# Altium PCB cheriot-test.PcbDoc (part 8 of 10)
Units mil, origin at the board's own origin, x right, y up, seen from the top; angles counter-clockwise.
Board outline 4921.26 x 3149.61 mil, 8 copper layers (Top Layer, Int1 (Sign), Int2 (GND), Int3 (Sign), Int4 (Sign), Int5 (PWR), Int6 (Sign), Bottom Layer), stack 60.424 mil thick; 468 components, 516 nets, 2293 pads, 1328 vias.
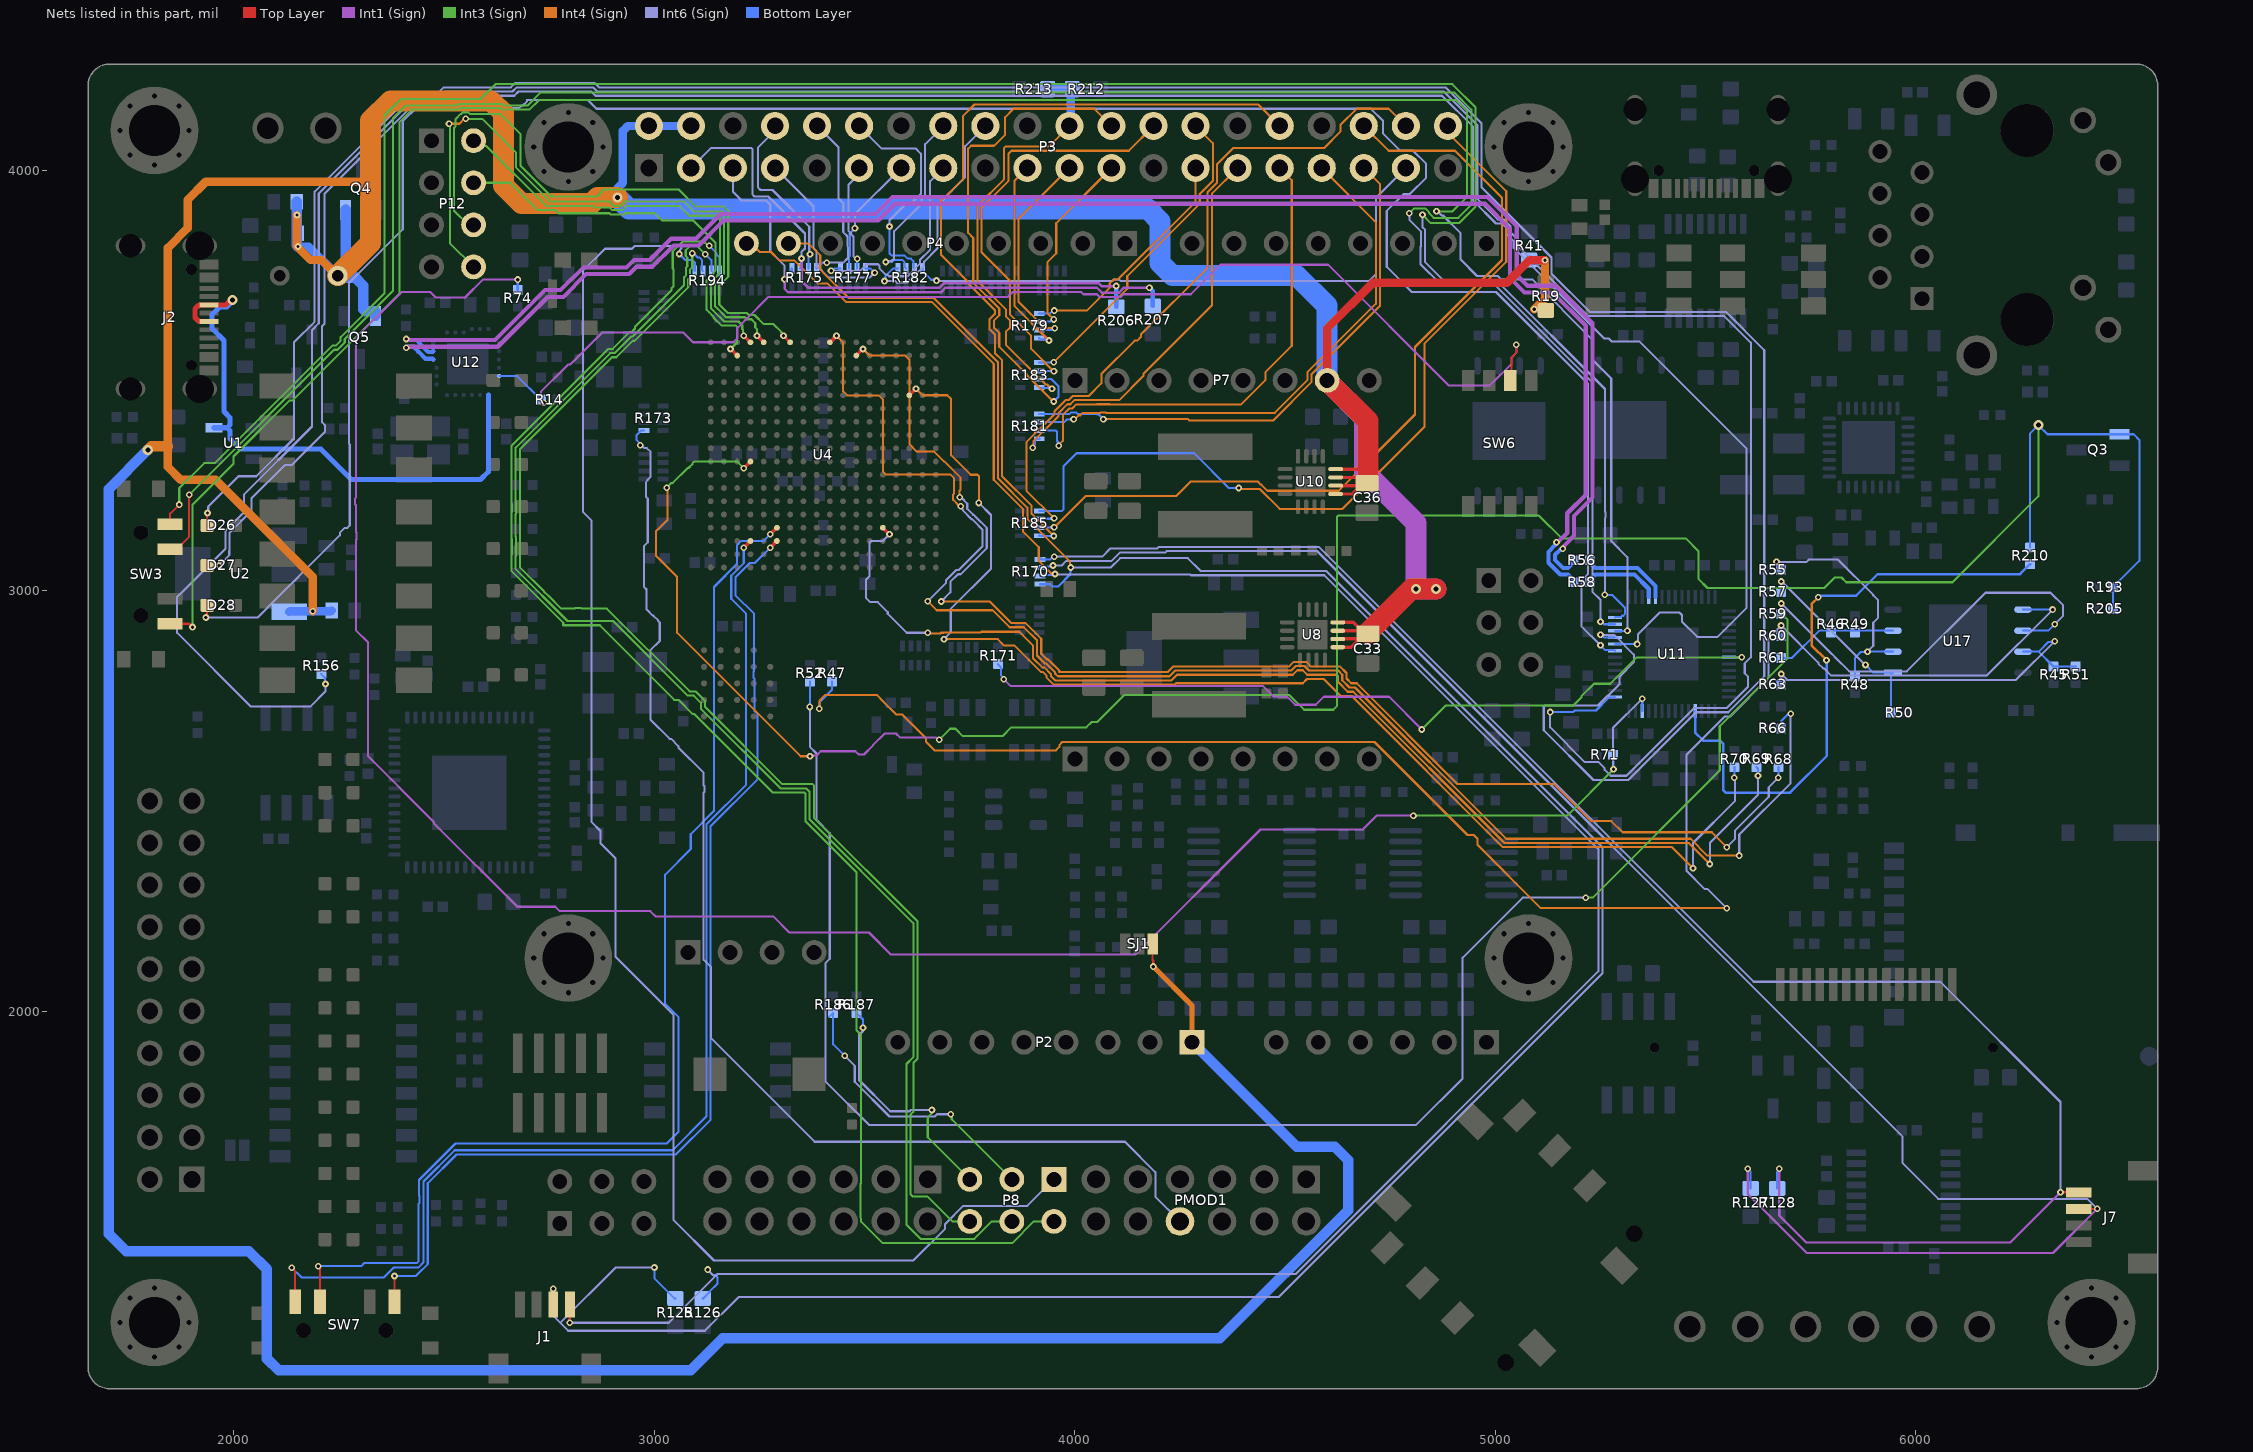
[diagram p14: the nets of this part, all layers, seen from the top]

## Via types
v1: diameter 16, hole 8, Top Layer to Bottom Layer, tented both sides, 1207 vias
v2: diameter 24, hole 12, Top Layer to Bottom Layer, tented both sides, 105 vias
v3: diameter 23.62, hole 11.81, Top Layer to Bottom Layer, tented both sides, 16 vias

## Nets (pads, with @x,y where several pads share a name; then routed paths per layer and width w, separated by ;. In a path a pad name is that pad's centre, name@x,y a point inside that pad or via, vN(x,y) a via of type N, cw(c..) or ccw(c..) an arc to the next point about the centre after c; other vN are vias at no path point) (continued)
PMOD1_8: PMOD1.10 R173.4B | length 2903.8
  Int6 (Sign) w5: v1(2966.47,3346.13) 2969.45,3346.13 2976.48,3339.09 2981.93,3339.09 2991.01,3330.01 2991.01,3270.98 2983.9,3263.88 2983.9,3262.46 2980.25,3258.8 2980.25,3222.83 2984.12,3218.95 2984.12,3114.79 2975,3105.66 2975,3009.07 2981.22,3002.85 2981.22,2955.79 2996.26,2940.75 2997.58,2940.75 3009,2929.33 3009,2928.01 3012.81,2924.2 3012.81,2880.39 2990.5,2858.08 2990.5,2693.64 3036.53,2647.61 3039.78,2647.61 3057.06,2630.33 3057.06,2627.08 3117.03,2567.11 3117.03,2537.07 3119.09,2535.01 3119.09,2522.17 3117.03,2520.11 3117.03,2122.32 3135,2104.35 3135,1935.65 3381.15,1689.5 4119.19,1689.5 4191.5,1617.19 4191.5,1558.5 PMOD1.10@4250,1500
  Bottom Layer w5: v1(2966.47,3346.13) 2966.47,3349.1 2957.63,3357.94 2957.63,3370.15 2968.11,3380.62 R173.4B@2975,3380.62
PMODC_1: P8.1 R194.4B | length 3721.2
  Int6 (Sign) w5: v1(3059.16,3800.5) 3061.27,3802.6 3061.27,3810.77 3064.5,3814 3064.5,3816 3060.5,3820 2953.9,3820 2946.9,3813 2882.55,3813 2830,3760.45 2830,3187.4 2850.21,3167.19 2850.21,2450.13 2871.83,2428.51 2871.83,2399.55 2907.11,2364.27 2907.11,2130.1 3045,1992.2 3045,1503.88 3141.88,1407.01 3615.7,1407.01 3691.5,1482.81 3691.5,1493.86 3734.66,1537.03 3887.03,1537.03 P8.1@3950,1600
  Bottom Layer w5: v1(3059.16,3800.5) 3073.17,3786.49 3089.82,3786.49 3096.02,3780.3 R194.4B@3096.02,3760
PMODC_2: P8.2 R186.2 | length 678
  Int3 (Sign) w5: v1(3705,1755) 3707.1,1752.9 3707.1,1742.9 P8.2@3850,1600
  Int6 (Sign) w5: v1(3452.76,1893.7) 3476.5,1869.96 3476.5,1832.21 3559.21,1749.5 3666.42,1749.5 3671.92,1755 v1(3705,1755)
  Bottom Layer w5: R186.2@3416.17,1987.04 R186.2@3425.2,1996.06 3425.2,1921.26 v1(3452.76,1893.7)
PMODC_3: P8.3 R187.2 | length 586.2
  Int3 (Sign) w5: v1(3660,1765) 3660,1757.52 3650.98,1748.51 3650.98,1744.06 3650,1743.08 3650,1700 P8.3@3750,1600
  Int6 (Sign) w5: v1(3496.06,1960.63) 3496.06,1952.76 3486.5,1943.19 3486.5,1836.36 3560.78,1762.07 3607.44,1762.07 3610.37,1765 v1(3660,1765)
  Bottom Layer w5: R187.2@3480.32,1996.06 3496.06,1980.32 v1(3496.06,1960.63)
PMODC_4: P8.4 R194.1B | length 3596.7
  Int3 (Sign) w5: v1(3130.26,3820.29) 3127.75,3820.29 3118.05,3830 3066.74,3830 3043.66,3806.92 3043.66,3766.51 3045.5,3764.67 3045.5,3724.26 3040.74,3719.5 3040.74,3714.66 2953.77,3627.7 2953.77,3623.51 2944.69,3614.43 2940.5,3614.43 2901.04,3574.97 2890.97,3574.97 2660,3343.99 2660,3207.2 2660.78,3206.42 2660.78,3186.74 2660,3185.96 2660,3124.1 2660.78,3123.32 2660.78,3087.75 2660,3086.97 2660,3047.18 2783.36,2923.82 2783.36,2917.73 2869.97,2917.73 3047.3,2740.4 3057.39,2740.4 3091.36,2706.42 3095.43,2706.42 3281.85,2520 3356.28,2520 3359.33,2516.94 3359.33,2451.67 3480.56,2330.44 3480.56,1954.21 3491.5,1943.27 3491.5,1590.44 3490,1588.94 3490,1511.06 cw(c3450,1500) 3491.5,1499.81 3492.92,1498.39 3542.81,1448.5 3850.86,1448.5 3902.36,1500 P8.4@3950,1500
  Bottom Layer w5: v1(3130.26,3820.29) 3130.26,3820.17 3147.98,3802.45 3147.98,3798.91 3155.34,3791.55 R194.1B@3155.34,3760.27
PMODC_5: P8.5 R194.2B | length 3390.1
  Int3 (Sign) w5: v1(3121.16,3799.77) 3121.16,3799.91 3101.07,3820 3085.24,3820 3074.66,3809.42 3074.66,3795.57 3078.13,3792.11 3078.13,3771.27 3075,3768.14 3075,3749.14 3070.5,3744.64 3070.5,3726.09 2948.84,3604.43 2944.65,3604.43 2905.19,3564.97 2895.12,3564.97 2670,3339.85 2670,3211.35 2670.78,3210.56 2670.78,3182.6 2670,3181.81 2670,3128.24 2670.78,3127.46 2670.78,3083.61 2670,3082.83 2670,3051.32 2793.36,2927.97 2902.02,2927.97 3079.59,2750.4 3093.73,2750.4 3110.69,2733.44 3110.69,2719.3 3299.98,2530 3360.42,2530 3369.33,2521.09 3369.33,2455.81 3615.77,2209.38 3615.77,1890.77 3599.5,1874.5 3599.5,1491.81 3632.81,1458.5 3760.86,1458.5 3802.36,1500 P8.5@3850,1500
  Bottom Layer w5: v1(3121.16,3799.77) 3121.3,3799.77 3135.39,3785.68 R194.2B@3135.39,3760
PMODC_6: P8.6 R194.3B | length 3155.3
  Int3 (Sign) w5: v1(3090.16,3801.99) 3090.16,3769.16 3085,3764 3085,3745 3080.5,3740.5 3080.5,3721.95 2952.98,3594.43 2948.79,3594.43 2909.33,3554.97 2899.26,3554.97 2680,3335.71 2680,3215.49 2680.78,3214.7 2680.78,3178.46 2680,3177.67 2680,3132.38 2680.78,3131.6 2680.78,3079.47 2680,3078.69 2680,3055.92 2737.61,2998.31 2737.61,2997.85 2746.69,2988.77 2747.15,2988.77 2778.58,2957.35 2810.82,2957.35 2812.44,2958.97 2825.28,2958.97 2826.9,2957.35 2886.78,2957.35 3083.73,2760.4 3097.87,2760.4 3120.69,2737.58 3120.69,2723.44 3304.13,2540 3376.4,2540 3379.33,2537.07 3379.33,2459.96 3625.77,2213.52 3625.77,1886.63 3615.77,1876.63 3615.77,1760.55 3609.5,1754.29 3609.5,1563.89 3613.89,1559.5 3649.19,1559.5 3708.69,1500 P8.6@3750,1500
  Bottom Layer w5: v1(3090.16,3801.99) 3093.14,3801.99 3102.4,3792.73 3106.28,3792.73 3113.44,3785.58 3113.44,3762.27 R194.3B@3115.7,3760
PWRIN_5V: C2.1 C3.1 C5.1 C33.1 C36.1 C39.1 P2.1 P3.2 P3.4 P7.7 Q4.2 Q5.2 R19.2 R41.2 SJ1.3 U2.3 U8.9 U8.10 U8.11 U8.12 U10.9 U10.10 U10.11 U10.12 | length 14991.5
  Top Layer w5: SJ1.3@4184.88,2160 4184.88,2121.75 4186.44,2120.19 v1(4186.44,2106.01) ; v1(5092.75,3669.33) 5117.21,3669.33 R19.2@5120,3666.54
  Top Layer w8: U10.9@4620.08,3230 4660.76,3230 C36.1@4680.45,3249.68 ; U10.10@4620.08,3249.68 C36.1@4680.45,3249.68 ; U10.11@4620.08,3269.37 4620.43,3269.02 4681.85,3269.02 C36.1@4695,3255.87 4686.63,3255.87 C36.1@4680.45,3249.68 ; U10.12@4620.08,3289.06 4687.32,3289.06 4696.85,3279.53 ; U8.9@4625.04,2865.47 4656.81,2865.47 C33.1@4676.85,2885.51 ; U8.10@4625.04,2885.16 4625.39,2885.51 C33.1@4676.85,2885.51 ; U8.11@4625.04,2904.84 C33.1@4681.77,2904.84 ; U8.12@4625.04,2924.53 4662.09,2924.53 C33.1@4681.77,2904.84 ; C33.1@4676.85,2885.51 4684.72,2885.51 C33.1@4696.85,2897.64 ; C33.1@4676.85,2885.51 C33.1@4688.98,2897.64 ; C33.1@4681.77,2904.84 C33.1@4688.98,2897.64 ; C33.1@4681.77,2904.84 4689.65,2904.84 C33.1@4696.85,2897.64 ; C33.1@4688.98,2897.64 C33.1@4696.85,2897.64
  Top Layer w20: P7.7@4600,3500 4600,3623.62 4708.66,3732.28 5027.56,3732.28 5081.28,3786 v1(5118,3786)
  Top Layer w50: P7.7@4600,3500 4696.85,3403.15 4696.85,3279.53 ; C33.1@4696.85,2897.64 4696.85,2900.39 4800.39,3003.94 v2(4811.02,3003.94) v2(4858.27,3003.94)
  Int1 (Sign) w50: P7.7@4600,3500 4688.98,3411.02 4688.98,3283.46 4811.02,3161.42 v2(4811.02,3003.94) v2(4858.27,3003.94)
  Int4 (Sign) w12: v1(4186.44,2106.01) 4278.74,2013.7 P2.1@4278.74,1925.98
  Int4 (Sign) w20: v1(2150,3893.3) 2150,3818.5 2182.15,3786.36 2208.53,3786.36 2245.88,3749 C5.1@2247,3749 ; v1(2187.38,2951.32) 2187.38,3033.1 1956.69,3263.78 1873.36,3263.78 1843.14,3294 1843.14,3815.23 1889.93,3862.01 1889.93,3929.3 1933.16,3972.53 2325,3972.53 ; v1(5092.75,3669.33) 5118,3694.57 v1(5118,3786)
  Int4 (Sign) w25: v2(1795.28,3334.65) 1803.77,3343.14 1843.14,3343.14
  Int4 (Sign) w50: C5.1@2247,3749 2325,3827 2325,3972.53 2325,4118.06 2371.94,4165 2611.58,4165 2640.87,4135.71 2640.87,3963.8 2683.88,3920.79 2850.92,3920.79 2864.64,3934.51 v2(2912.15,3934.51)
  Bottom Layer w5: U2.3@2132.05,2949.45 2180.41,2949.45 2185.51,2949.45 2187.17,2951.11 v1(2187.38,2951.32) ; v1(2152.56,3818.3) 2152.56,3825.26 C2.1@2152.56,3850
  Bottom Layer w20: U2.3@2132.05,2949.45 2133.7,2951.11 2187.17,2951.11 2230.63,2951.11 C39.1@2232.28,2952.76 ; v1(2152.56,3818.3) 2177.7,3818.3 C5.1@2247,3749 ; v2(2912.15,3934.51) 2912.91,3935.28 2912.91,3957.91 2925,3970 2925,4093.4 2936.72,4105.12 P3.2@2987.01,4105.12 P3.4@3087.01,4105.12 ; R41.2@5080,3786.54 5080.54,3786 v1(5118,3786)
  Bottom Layer w25: v2(1795.28,3334.65) 1702.17,3241.54 1702.17,1471.05 1744.09,1429.13 2035.43,1429.13 2078.74,1385.83 2078.74,1173.23 2106.3,1145.67 3086.61,1145.67 3162.99,1222.05 4344.88,1222.05 4649.61,1526.77 4649.61,1645.67 4618.11,1677.17 4527.56,1677.17 P2.1@4278.74,1925.98 ; C3.1@2150,3925 v1(2150,3893.3) 2150,3820.86 v1(2152.56,3818.3) ; Q4.2@2265.75,3905.51 2265.75,3773.77 2247,3755.02 C5.1@2247,3749 2251.26,3744.74 2288.72,3744.74 2308.14,3725.32 2308.14,3668.74 2312.21,3664.67 2336.32,3664.67 2336.61,3664.37 Q5.2@2336.61,3653.54
  Bottom Layer w50: v2(2912.15,3934.51) 2939.18,3907.48 4173.47,3907.48 4202.76,3878.19 4202.76,3779.29 4232.05,3750 4527.56,3750 4600,3677.56 P7.7@4600,3500 P7.7@4598.27,3498.27
QSPI_CS: R50.1 R57.1 U17.1 | length 477.4
  Int6 (Sign) w5: v1(5679.69,3021.76) 5680.71,3021.76 5878.97,2823.5 v1(5880,2823.5)
  Bottom Layer w5: R57.1@5679.69,2996.95 v1(5679.69,3021.76) ; v1(5880,2823.5) 5898.5,2805 U17.1@5945.45,2805 5940.31,2799.86 R50.1@5940.31,2710.1
QSPI_D0: R47.2 R60.1 U17.5 | length 4174
  Int4 (Sign) w5: v1(3391.86,2719.45) 3393.07,2720.67 3393.07,2738.68 3406.65,2752.25 3528.6,2752.25 3545.74,2735.12 3545.74,2735.02 3575.32,2705.43 3589.57,2705.43 3645.84,2649.16 3645.84,2640.93 3666.77,2620 3954.16,2620 3962.97,2628.81 3962.97,2632.63 3970.34,2640 4712.36,2640 4933.53,2418.83 4948.41,2418.83 4957.49,2409.76 4957.49,2395.61 5108.11,2245 v1(5550,2245)
  Int6 (Sign) w5: v1(5550,2245) 5504.66,2290.34 5497.74,2290.34 5454.5,2333.58 5454.5,2609.63 5545.69,2700.82 5558.09,2700.82 5649.28,2792.01 5649.28,2887.04 v1(5679.37,2917.13) 5767.9,2828.6 5767.9,2826.57 5779.32,2815.15 5781.35,2815.15 5798.5,2798 6168,2798 v1(6325,2955)
  Bottom Layer w5: v1(3391.86,2719.45) 3393.05,2720.64 3393.05,2734.95 3422.5,2764.4 3422.5,2783.49 R47.2@3422.28,2783.71 ; R60.1@5679.37,2892.32 v1(5679.37,2917.13) ; U17.5@6254.55,2955 v1(6325,2955)
QSPI_D1: R48.2 R55.1 U17.2 | length 580.9
  Int6 (Sign) w5: v1(5668.56,3068.46) 5740.16,3068.46 5745.78,3074.08 5814.4,3074.08 5898.59,2989.89 5898.59,2988.98 5909.5,2978.08 5909.5,2934.82 5898.59,2923.92 5898.59,2868.59 v1(5885,2855)
  Bottom Layer w5: v1(5668.56,3068.46) 5670.65,3066.37 5670.65,3058.31 R55.1@5679.69,3049.27 ; R48.2@5855.06,2796.31 5855.06,2840.06 5869.5,2854.5 5884.5,2854.5 v1(5885,2855) U17.2@5945.45,2855
QSPI_D2: R46.2 R49.2 R61.1 U17.3 | length 293
  Bottom Layer w5: R61.1@5679.37,2840 5705,2840 5770,2905 5797.78,2905 5855,2905 U17.3@5945.45,2905
QSPI_D3: R45.2 R51.2 R63.1 U17.7 | length 907.5
  Int6 (Sign) w5: v1(5679.69,2801.76) 5693.45,2788 6238,2788 v1(6330,2880)
  Bottom Layer w5: R63.1@5679.69,2776.95 v1(5679.69,2801.76) ; U17.7@6254.55,2855 6291.91,2855 ; v1(6330,2880) 6327.9,2877.9 6314.8,2877.9 6291.91,2855 ; R51.2@6380,2819.68 R45.2@6327.22,2819.68 6291.91,2855
QSPI_SCLK: R52.1 R59.1 U17.6 | length 5118.9
  Int3 (Sign) w5: v1(5215,2270) 5231.28,2270 5533.56,2572.28 5533.56,2677.56 5694.87,2838.87 5694.87,2931 5679.69,2946.18 v1(5679.69,2969.45)
  Int6 (Sign) w5: v1(3369.66,2723.6) 3369.66,2628.64 3385.58,2612.72 3385.58,2455 3417.03,2423.55 3417.03,2124.66 3406.49,2114.13 3406.49,1833.51 3510.5,1729.5 4811.42,1729.5 4921.92,1840 4921.92,2127.32 5064.6,2270 v1(5215,2270) ; v1(5679.69,2969.45) 5794.99,2854.15 5795.48,2854.15 5806.9,2842.72 5806.9,2842.23 5841.13,2808 5978.48,2808 6165.48,2995 6320,2995 6350,2965 6350,2940 v1(6330,2920)
  Bottom Layer w5: v1(3369.66,2723.6) 3369.66,2783.09 R52.1@3369.96,2783.39 ; R59.1@5679.69,2944.63 v1(5679.69,2969.45) ; U17.6@6254.55,2905 6315,2905 v1(6330,2920)
RGBLED0: Q3.1 R193.2 R205.1 R210.1 U4.D9 | length 5900.3
  Top Layer w8: v1(3212.6,3291.34) U4.D9@3228.35,3307.09
  Int1 (Sign) w5: v1(3370.08,2606.3) 3371.88,2608.1 3385.58,2608.1 3395.59,2618.11 3478.08,2618.11 3485.71,2610.48 3498.55,2610.48 3519.69,2631.62 3519.69,2632.16 3547.75,2660.22 3574.54,2660.22 3583.62,2651.14 3668.74,2651.14 3674.2,2645.67 v1(3677.17,2645.67)
  Int3 (Sign) w5: v1(3029.4,3245.03) 3040.62,3256.24 3043.65,3256.24 3078.99,3291.59 3081.22,3291.59 3090.3,3300.67 3090.3,3302.9 3094.24,3306.84 3197.1,3306.84 v1(3212.6,3291.34) ; v1(3677.17,2645.67) 3703.16,2671.67 3715.91,2671.67 3733.58,2654 3827.69,2654 3848.69,2675 4027.14,2675 4039.93,2687.79 4052.9,2687.79 4117.07,2751.97 4510.09,2751.97 4545.28,2716.78 4614.42,2716.78 4623.77,2726.13 4623.77,3175.96 4626.7,3178.89 5103.03,3178.89 5157.42,3124.5 5452.42,3124.5 5482.61,3094.31 5482.61,3027.98 5504.33,3006.26 5781.83,3006.26 5806.88,3031.31 5823.04,3031.31 5834.35,3020 6086.93,3020 6291.34,3224.41 v2(6291.34,3393.7)
  Int4 (Sign) w5: v1(3029.4,3245.03) 3031.5,3242.94 3031.5,3169.29 3003.94,3141.73 3003.94,3082.68 3054.22,3032.39 3054.22,2899.92 3347.84,2606.3 v1(3370.08,2606.3)
  Bottom Layer w5: R210.1@6271.65,3102.36 6271.65,3374.02 v2(6291.34,3393.7) 6312.99,3372.05 Q3.1@6484.25,3372.05 6517.72,3372.05 6531.5,3358.27 6531.5,3070.87 R193.2@6468.5,3007.87 R205.1@6468.5,2956.69
RP2040_CLK: R70.1 U4.T14 | length 3085.7
  Top Layer w8: U4.T14@3606.3,3464.57 v1(3622.05,3480.32)
  Int4 (Sign) w5: v1(3622.05,3480.32) 3637.55,3464.81 3696.6,3464.81 3705.66,3455.75 3705.66,3321.89 3751.97,3275.59 3768.72,3275.59 3771.65,3272.66 v1(3771.65,3208.66) ; v1(3688.67,2884.63) 3816.45,2884.63 3831.08,2870 3856.06,2870 3890.38,2835.69 3890.38,2835.48 3919.02,2806.84 3923.74,2806.84 3932.82,2797.76 3932.82,2793.04 3949.4,2776.46 4237.55,2776.46 4240.87,2779.78 4541.85,2779.78 4552.08,2790 4591.39,2790 4631.68,2749.71 4657.86,2749.71 5017.57,2390 5420,2390 v1(5470,2340)
  Int6 (Sign) w5: v1(3688.67,2884.63) 3704.72,2900.69 3704.72,2956.69 3800.36,3052.33 3800.36,3179.95 v1(3771.65,3208.66) ; v1(5470,2340) 5470,2400 5570,2500 5570,2553.38 v1(5568.19,2555.19)
  Bottom Layer w5: v1(5568.19,2555.19) 5568.19,2562.15 R70.1@5568.19,2580
RP2040_LED0: D26.K U11.38 | length 6783.1
  Top Layer w5: D26.K@1936.54,3155 1936.54,3176.78 1936.54,3183.75 v1(1937.35,3184.57)
  Int6 (Sign) w5: v1(1937.35,3184.57) 1938.99,3186.2 1938.99,3200.07 2011.01,3272.08 2053.32,3272.08 2143.02,3361.78 2143.02,3590.91 2191.91,3639.8 2191.91,3948.77 2423.14,4180 2482.05,4180 2499,4196.95 2658.56,4196.95 2668.56,4206.95 2858.17,4206.95 2868.17,4196.95 4881.39,4196.95 4966.91,4111.43 4966.91,3959.01 5133.5,3792.42 5133.5,3753.58 5224.22,3662.86 5548.35,3662.86 5639.28,3571.93 5639.28,2796.16 5553.94,2710.82 5476.88,2710.82 5315.81,2549.75 5233.33,2549.75 5115,2668.08 5115,2723.83 5117.93,2726.76 5244.12,2726.76 5295,2777.64 5295,2795.57 5329.41,2829.98 5329.41,2847.91 5282.32,2895 v1(5250,2895)
  Bottom Layer w5: v1(5250,2895) 5252.98,2895 5259.24,2888.73 U11.38@5284.17,2888.73
RP2040_LED1: D27.K U11.37 | length 5783.5
  Top Layer w5: D27.K@1936.54,3060 v1(1964.5,3060)
  Int6 (Sign) w5: v1(1964.5,3060) 1988.87,3084.37 1988.87,3094.74 1990,3095.86 1990,3137.97 2041.79,3189.76 2041.79,3219.71 2120.91,3298.83 2137.67,3298.83 2216.79,3377.95 2216.79,3393.55 2209.82,3400.52 2209.82,3629.43 2215.88,3635.49 2215.88,3944.45 2431.42,4160 2490.34,4160 2507.29,4176.95 2666.84,4176.95 2676.84,4186.95 2849.88,4186.95 2859.88,4176.95 4873.11,4176.95 4946.91,4103.15 4946.91,3927.48 5001.37,3873.01 5015.52,3873.01 5025.77,3862.76 5025.77,3848.62 5043.67,3830.72 5043.67,3815.13 5259.13,3599.66 5269.34,3599.66 5276.01,3593 5341.66,3593 5597.56,3337.11 5597.56,2959.14 5528.42,2890 5479.89,2890 5443.87,2926.02 5443.87,2942.08 5440.94,2945.01 5440,2945.01 5437.07,2947.94 5390.66,2947.94 5338.98,2896.26 5338.98,2875.04 v1(5336.92,2872.99)
  Bottom Layer w5: U11.37@5284.17,2872.99 v1(5336.92,2872.99)
RP2040_LED2: D28.K U11.36 | length 5593.1
  Top Layer w5: v1(1933.5,2936.25) 1933.5,2938.72 1936.54,2941.75 1936.54,2943.22 D28.K@1936.54,2965
  Int6 (Sign) w5: v1(1933.5,2936.25) 2056.75,2936.25 2252.15,3131.65 2252.15,3138 2263.58,3149.42 2269.92,3149.42 2275.5,3155 2275.5,3347.32 2273.5,3349.32 2273.5,3731.49 2401.47,3859.46 2401.47,4115.91 2435.57,4150 2642.94,4150 2645.46,4147.48 2677.59,4147.48 2683.9,4153.79 2687.52,4153.79 2696.6,4162.87 2696.6,4166.5 2697.06,4166.95 2841.6,4166.95 2862.46,4146.08 4703.98,4146.08 4733.11,4116.94 4733.11,4086.94 4773.97,4046.08 4803.98,4046.08 4835.2,4014.86 4835.2,3982.33 4795.6,3942.73 4781.31,3942.73 4741.71,3903.13 4741.71,3770.1 4801.42,3710.39 5001.49,3710.39 5220.5,3491.37 5220.5,3040.5 5204.5,3024.5 5204.5,2915.5 v1(5250,2870)
  Bottom Layer w5: v1(5250,2870) 5261.32,2858.68 5282.74,2858.68 U11.36@5284.17,2857.24
RP2040_LED3: R156.1 U11.29 | length 7192.7
  Int6 (Sign) w5: v1(2218,2778) 2218,2760.89 2181.42,2724.31 2040.69,2724.31 1865,2900 1865,2985.01 1980,3100.01 1980,3142.12 2023.91,3186.03 2023.91,3228.53 2185.79,3390.41 2185.79,3619.54 2201.91,3635.66 2201.91,3944.63 2427.28,4170 2486.2,4170 2503.14,4186.95 2662.7,4186.95 2672.7,4196.95 2854.02,4196.95 2864.02,4186.95 4877.25,4186.95 4956.91,4107.29 4956.91,3931.62 5005.52,3883.01 5019.66,3883.01 5035.77,3866.9 5035.77,3852.76 5053.67,3834.86 5053.67,3819.27 5220.08,3652.86 5544.21,3652.86 5607.56,3589.51 5607.56,2841.57 5593.08,2827.09 5593.08,2803.57 5601.06,2795.59 5601.06,2772.08 5549.8,2720.82 5472.74,2720.82 5311.67,2559.75 5274.32,2559.75 5259.89,2574.18 5259.89,2577.88 5245.46,2592.31 5212.69,2592.31 5130,2675 5130,2710.76 v1(5130.5,2711.26)
  Bottom Layer w5: R156.1@2207.86,2801.61 2217,2792.46 2217,2779 v1(2218,2778) ; v1(5130.5,2711.26) 5184.56,2711.26 5188.29,2715 5239.38,2715 5269.94,2745.57 5282.74,2745.57 U11.29@5284.17,2747
RP2040_N: R58.1 U12.4 | length 3897.7
  Int1 (Sign) w10: v1(2410,3577.5) 2411.15,3578.65 2415.39,3578.65 2416.74,3580 2627.63,3580 2746.31,3698.69 2783.69,3698.69 2837.71,3752.71 2940.33,3752.71 2958.12,3770.5 2995.5,3770.5 3046,3821 3105.51,3821 3164.45,3879.94 3532.48,3879.94 3572.54,3920 4975,3920 5035,3860 5035,3743.37 5069.37,3709 5136,3709 5215,3630 5215,3228.08 5171,3184.08 5171,3137.16 5151.69,3117.85 5149.77,3117.85 5146.77,3114.85 v1(5145.15,3114.85)
  Bottom Layer w10: v1(2410,3577.5) 2411.62,3577.5 2414.12,3580 2427.37,3580 2438.69,3568.69 2438.69,3568.39 2455.54,3551.53 2472.12,3551.53 U12.4@2473.97,3549.68 ; v1(5145.15,3114.85) 5145.15,3113.23 5142.15,3110.23 5142.15,3108.31 5125.97,3092.13 5125.97,3066.42 5154.23,3038.16 5172.96,3038.16 5178.82,3032.3 5178.82,3026.81 R58.1@5185.63,3020
RP2040_NRST: R71.1 R74.2 U11.26 | length 5091.1
  Int1 (Sign) w5: v1(2675,3739.81) 2592.18,3739.81 2549.58,3697.22 2480.43,3697.22 2467.37,3710.27 2398.81,3710.27 2290,3601.47 2290,3221.37 2287.65,3219.02 2287.65,3206.18 2290,3203.83 2290,3139.15 2291.15,3138 2291.15,3121.84 2290,3120.69 2290,2905.92 2319.15,2876.77 2319.15,2606.39 2475.73,2449.81 2475.73,2447.04 2674.42,2248.34 2764.61,2248.34 2775.14,2237.81 2990.26,2237.81 3002.58,2225.5 3282.58,2225.5 3321.05,2187.03 3510.4,2187.03 3562.81,2134.61 4143.85,2134.61 4441.24,2432 4684.23,2432 4717.23,2465 v1(4805,2465)
  Int3 (Sign) w5: v1(4805,2465) 5170.49,2465 v1(5280.74,2575.25)
  Int6 (Sign) w5: v1(5280.74,2575.25) 5279.69,2576.3 5279.69,2673.82 v1(5349.13,2743.27)
  Bottom Layer w5: R74.2@2675,3715 v1(2675,3739.81) ; R71.1@5279.69,2609.87 5280.74,2608.82 v1(5280.74,2575.25) ; U11.26@5349.13,2713.54 v1(5349.13,2743.27)
RP2040_P: R56.1 U12.5 | length 3897.4
  Int1 (Sign) w10: v1(2410,3598.5) 2411.15,3597.35 2415.39,3597.35 2416.74,3596 2621,3596 2739.69,3714.69 2777.06,3714.69 2831.08,3768.71 2933.7,3768.71 2951.5,3786.5 2988.87,3786.5 3039.37,3837 3098.88,3837 3157.82,3895.94 3525.86,3895.94 3565.92,3936 4981.63,3936 5051,3866.63 5051,3750 5076,3725 5142.63,3725 5231,3636.63 5231,3221.46 5187,3177.46 5187,3130.54 5163,3106.54 5163,3104.62 5160,3101.62 v1(5160,3100)
  Bottom Layer w10: v1(2410,3598.5) 2411.62,3598.5 2414.12,3596 2434,3596 2456.09,3573.91 2456.09,3573.61 2462.17,3567.53 2472.12,3567.53 U12.5@2473.97,3569.37 ; v1(5160,3100) 5158.38,3100 5155.38,3097 5153.46,3097 5141.97,3085.5 5141.97,3073.05 5160.86,3054.16 5172.65,3054.16 5178.5,3060.02 5178.5,3065.51 R56.1@5185.31,3072.32